# Altium PCB bpq123.PcbDoc
Units mil, origin at the board's own origin, x right, y up, seen from the top; angles counter-clockwise.
Board outline 6000 x 4000 mil, 2 copper layers (Top Layer, Bottom Layer); 16 components, 9 nets, 40 pads, 0 vias.
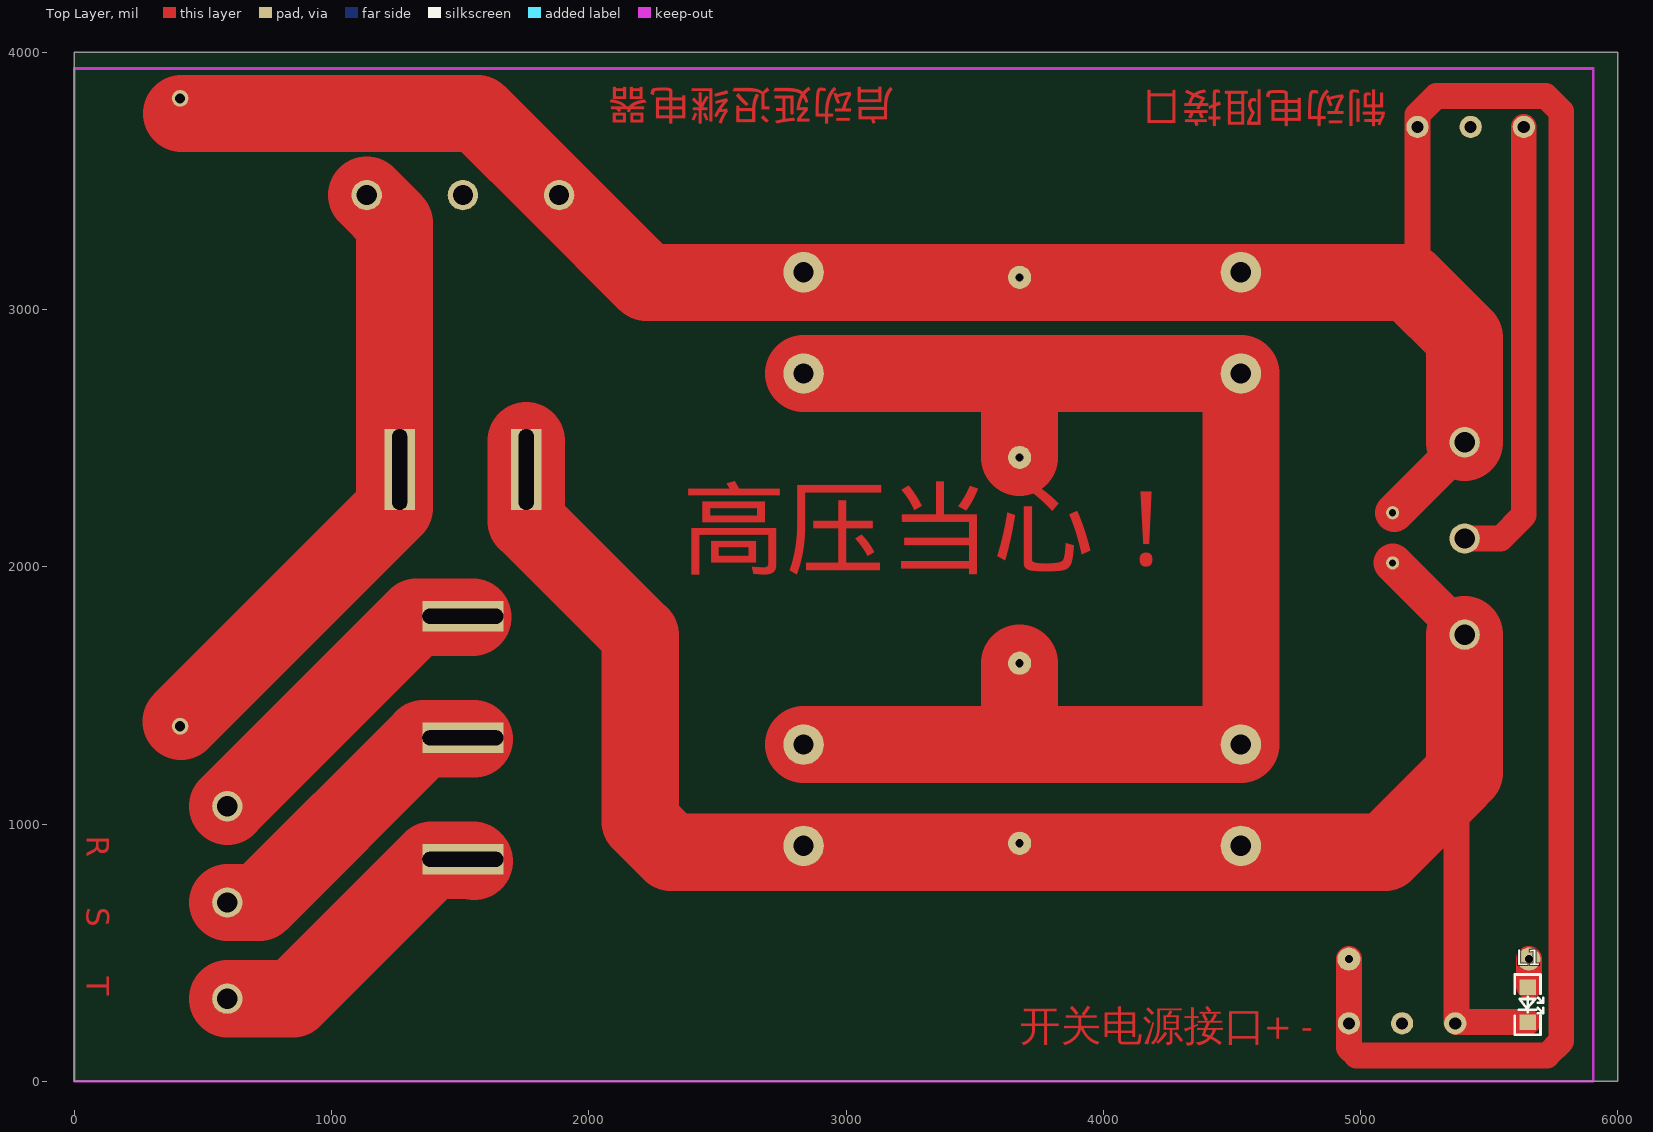
[diagram p0: Top Layer view]
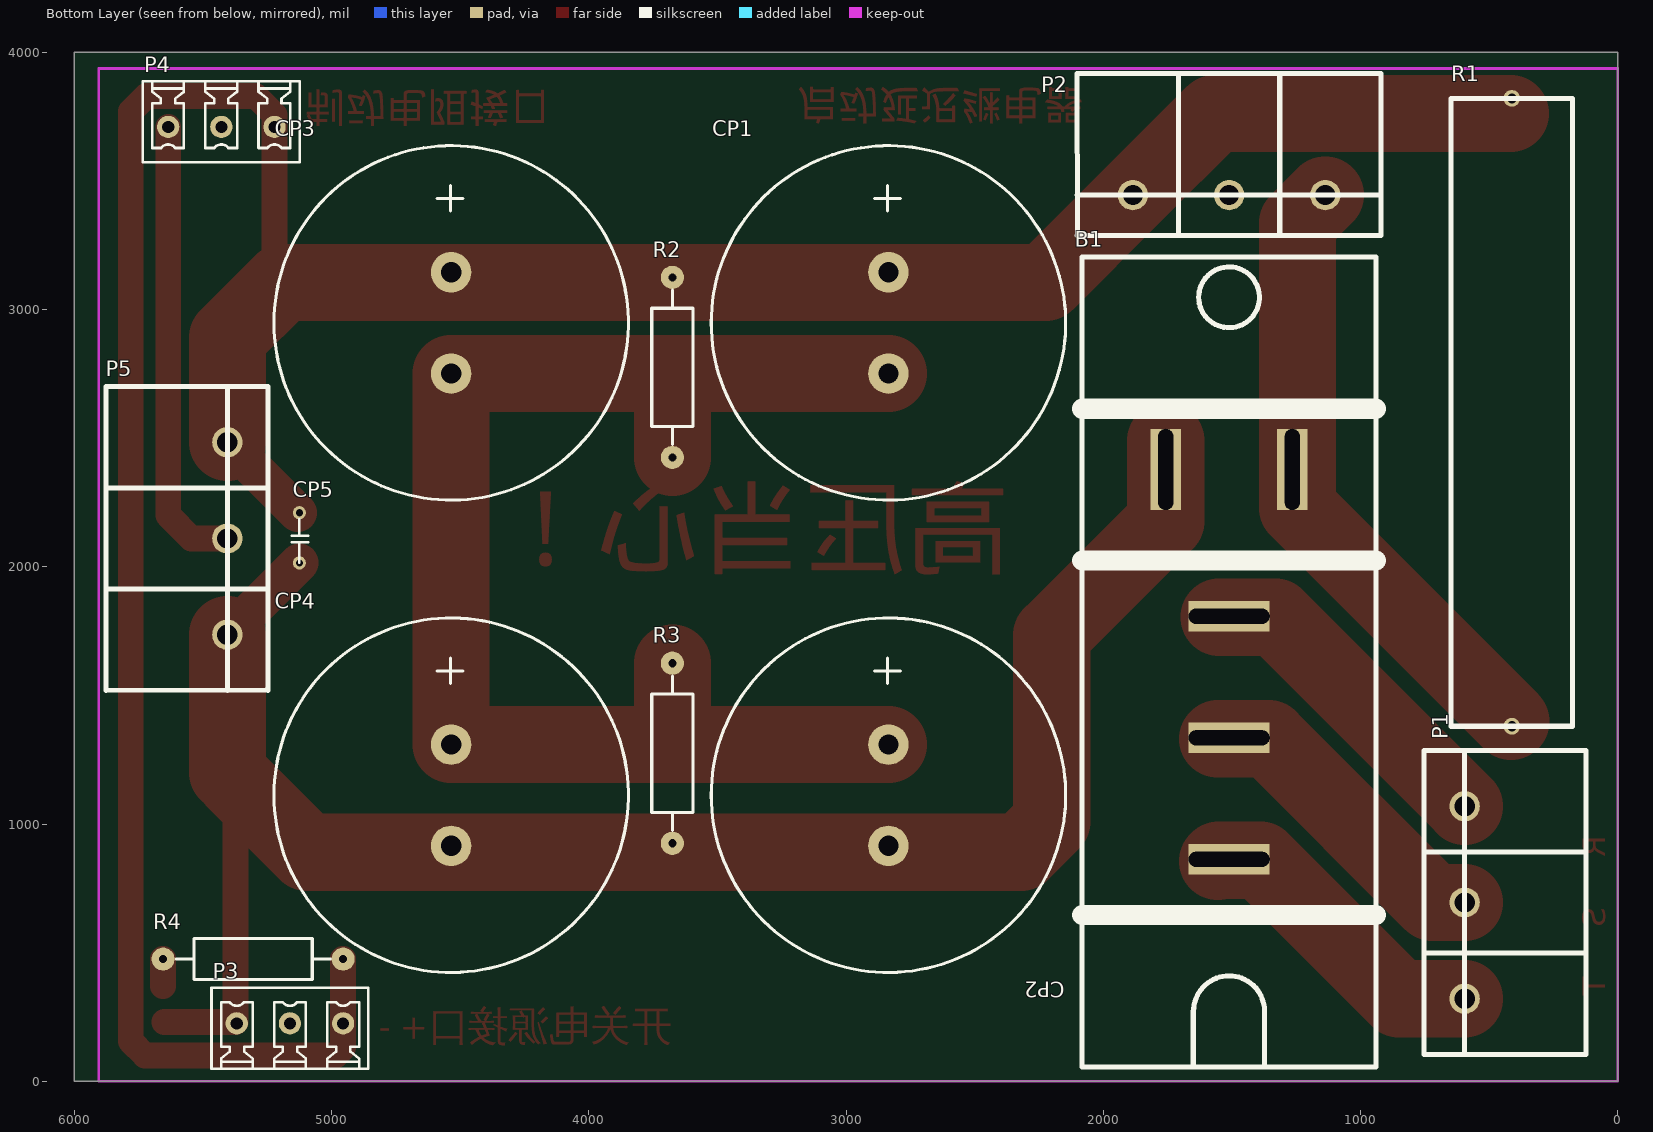
[diagram p1: Bottom Layer view, seen from below]

## Layer stack, top to bottom
Top Solder: solder mask 0.4, Solder Resist, Dk 3.5
Top Layer: signal copper 1.4
Dielectric1: dielectric 12.6, FR-4, Dk 4.8
Bottom Layer: signal copper 1.4
Bottom Solder: solder mask 0.4, Solder Resist, Dk 3.5

## Board outline
0,0 6000,0 6000,4000 0,4000

## Design rules (kind name [scope] priority, off if disabled: settings)
Clearance [All] p1: gap=10
PolygonConnect [All] p1: connectstyle=Relief reliefconductorwidth=10 reliefentries=4 polygonreliefangle="90 Angle" airgapwidth=10
RoutingVias [All] p1: holewidth=28 width=50 viastyle="Through Hole" minholewidth=28 minwidth=50 maxholewidth=28 maxwidth=50
SolderMaskExpansion [All] p1: expansion=4
Width [All] p1: maxlimit=300 minlimit=10 preferedwidth=20
29 further rules are at their usual default settings.

## Components (designator, comment, footprint, x,y, rotation, side; value= is the part's Value field where it differs from the comment)
B1 "3BRIDGE" 三相整流桥 940,3205 r0 bottom
CP1 "470uF/450V" CAP_35X50 2835,3145 r270 bottom
CP2 "470uF/450V" CAP_35X50 2835,1308.7 r270 bottom
CP3 "470uF/450V" CAP_35X50 4535,3145 r270 bottom
CP4 "470uF/450V" CAP_35X50 4535,1308.7 r270 bottom
CP5 "0.47uF/1200V" CB2 5125,2110 r270 bottom
L1 "LED" LED_1206 5650,365 r270 top
P1 "Header 3" 30A/300V 122.56,104.45 r90 bottom
P2 "Header 3" 30A/300V 920.16,3917.44 r0 bottom
P3 "Header 3" 5.25-3 4955,225 r0 bottom
P4 "Header 3" 5.25-3 5635,3710 r180 bottom
P5 "Header 3" 30A/300V 5877.44,2700.55 r270 bottom
R1 "30欧/20W" R_30R/20W 175,1380 r90 bottom
R2 "150K" AXIAL0.7 3675,2775 r90 bottom
R3 "150K" AXIAL0.7 3675,1275 r90 bottom
R4 "100K" AXIAL0.7 5305,475 r180 bottom

## Footprints (in the part's own frame and the unit in brackets; to place one, negate y for a bottom-side part, rotate by r counter-clockwise, add the part's x,y. Pads: shape width x height; smd on the part's side, far side on the other; paste and mask are expansions set on the pad)
5.25-3 [mm]
  round 2.2 hole 1.2: 1(0,0) 2(5.25,0) 3(10.5,0)
  silkscreen extent -2.49,-3.5 13,4.5
30A/300V [mm]
  round 3 hole 2: 1(5.5,12) 2(15,12) 3(24.5,12)
  silkscreen extent 0,0 30,16
AXIAL0.7 [mil]
  round 90 hole 32: 1(-350,0) 2(350,0)
  silkscreen extent -300,-80 300,80
CAP_35X50 [mm] "450V/470uF"
  round 4 hole 2: 1(0,0) 2(10,0)
  silkscreen extent -12.5,-17.5 22.5,17.5
CB2 [mm]
  round 1.3 hole 0.7: 1(-2.54,0) 2(2.413,0)
  silkscreen extent -1.91,-0.76 2.41,0.89
LED_1206 [mil]
  rect 60x65 smd: 1(0,0) 2(135,0)
  silkscreen extent -50,-50 185,60
R_30R/20W [mm] "水泥电阻"
  round 1.651 hole 1: 1(0,6) 2(62,6)
  silkscreen extent 0,0 62,12
三相整流桥 [mm] "6RI130G-160   30A/1600V"
  rect 3x8 hole 1.5 slot 8 at 90 deg: 1(8.25,21) 2(20.75,21)
  rect 8x3 hole 1.5 slot 8 at 0 deg: 3(14.5,35.5) 4(14.5,47.5) 5(14.5,59.5)
  silkscreen extent 0,0 29,80

## Part data
B1: library part 三相整流桥
CP1 CP2 CP3 CP4 CP5: library part Cap_Pol, "极性电容"
L1: "发光二极管"
P1 P2 P3 P4 P5: "Header, 3-Pin"
R1 R2 R3 R4: library part Res, "电阻"

## Nets (pads, with @x,y where several pads share a name; then routed paths per layer and width w, separated by ;. In a path a pad name is that pad's centre, name@x,y a point inside that pad or via, vN(x,y) a via of type N, cw(c..) or ccw(c..) an arc to the next point about the centre after c; other vN are vias at no path point)
NetB1_1: B1.1 P2.1 R1.1 | length 2434.8
  Top Layer w300: R1.1@415,1398.9 1245,2228.9 1245,3336.69 P2.1
NetB1_2: B1.2 CP2.2 CP4.2 CP5.2 L1.2 P3.3 P5.3 R3.1 | length 7172
  Top Layer w100: CP5.2 CP5.2@5125.98,2015 ; 5375,1170 5373.39,1168.39 5373.39,230 L1.2 ; 5390,1185 5405,1200
  Top Layer w150: CP5.2@5125.98,2015 P5.3
  Top Layer w300: B1.2@1756.93,2490 1756.93,2176.93 2200,1733.86 2200,1010 2320,890 5095,890 5373.39,1168.39 ; 5405,1200 P5.3
NetB1_3: B1.3 P1.3 | length 1259.9
  Top Layer w300: P1.3 1329.8,1803.82 1388.46,1803.82 1548.82,1803.82 B1.3@1550,1805
NetB1_4: B1.4 P1.2 | length 1224.2
  Top Layer w300: P1.2 720,695 1356.38,1331.38 1553.62,1331.38 B1.4@1555,1330
NetB1_5: B1.5 P1.1 | length 1184.5
  Top Layer w300: P1.1 850.51,320.98 1388.46,858.94 1551.06,858.94 B1.5@1555,855
NetCP1_1: CP1.1 CP3.1 CP5.1 P2.3 P3.1 P4.3 P5.1 R1.2 R2.2 R4.2 | length 12242.1
  Top Layer w100: R4.2 4955,130 4985,100 5725,100 5780,155 5780,3770 5720,3830 5295,3830 5221.61,3756.61 P4.3 5221.61,3136.61 5190,3105
  Top Layer w150: CP5.1@5130.98,2210 P5.1
  Top Layer w300: 416.22,3762.2 1567.52,3762.2 P2.3 2224.72,3105 5190,3105 5405,2890 P5.1
NetCP1_2: CP1.2 CP2.1 CP3.2 CP4.1 R2.1 R3.2 | length 5445.2
  Top Layer w300: CP2.1 CP4.1 CP3.2 CP1.2 ; 3675,1328.7 R3.2 ; R2.1 3675,2731.3
NetL1_1: L1.1 R4.1 | length 105
  Top Layer w100: L1.1@5655,370 R4.1
NetP4_1: P4.1 P5.2 | length 1777.3
  Top Layer w100: P5.2 5545,2110 5635,2200 P4.1
pads on no net: P2.2 P3.2 P4.2

## Keep-outs
Keep-Out Layer:
  lines w10: 0,0 5905.51,0 5905.51,3937.01 0,3937.01 0,0

## Other copper
Top Layer:
  text "启动延迟继电器" at 3190,3890 h200 r180
  text "制动电阻接口" at 5105,3880 h200 r180
  text "高压当心！" at 2365,1910 h500
  text "R     S     T" at 20,955 h150 r270
  text "开关电源接口+ -" at 3675,120 h200